# Altium PCB USBtoCAN.PcbDoc (continued)
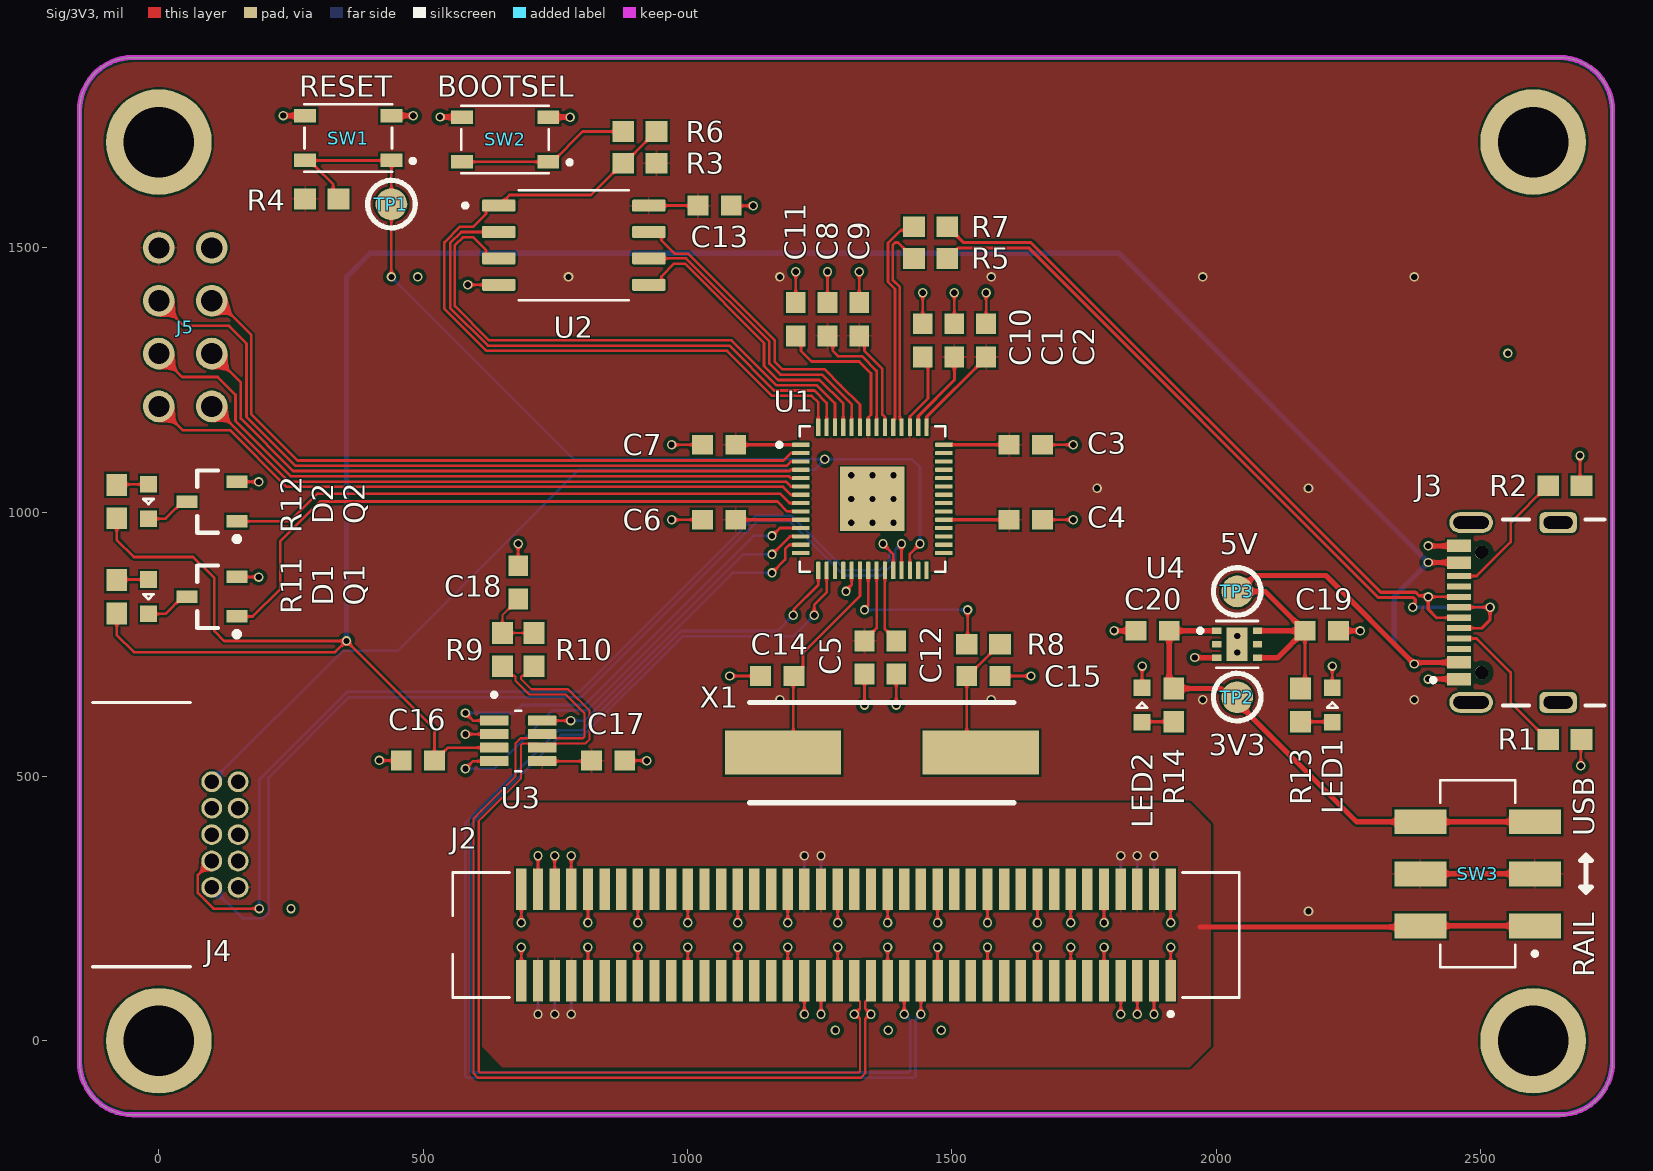
[diagram p0: Sig/3V3 view]
## Footprints (in the part's own frame and the unit in brackets; to place one, negate y for a bottom-side part, rotate by r counter-clockwise, add the part's x,y. Pads: shape width x height; smd on the part's side, far side on the other; paste and mask are expansions set on the pad) (continued)
  rrect25% 0.2x0.84 smd mask+0.05: 15(-2.6,-3.435) 16(-2.2,-3.435) 17(-1.8,-3.435) 18(-1.4,-3.435) 19(-1,-3.435) 20(-0.6,-3.435) 21(-0.2,-3.435) 22(0.2,-3.435) 23(0.6,-3.435) 24(1,-3.435) 25(1.4,-3.435) 26(1.8,-3.435) 27(2.2,-3.435) 28(2.6,-3.435) 43(2.6,3.435) 44(2.2,3.435) 45(1.8,3.435) 46(1.4,3.435) 47(1,3.435) 48(0.6,3.435) 49(0.2,3.435) 50(-0.2,3.435) 51(-0.6,3.435) 52(-1,3.435) 53(-1.4,3.435) 54(-1.8,3.435) 55(-2.2,3.435) 56(-2.6,3.435)
  rect 3.1x3.1 smd paste-0.57 mask+0.05: 57(0,0)
  silkscreen extent -4.57,-3.5 3.5,3.5, body extent -3.5,-3.5 3.5,3.5
RES0603 [mm] "Chip Resistor, 2-Leads, Body 1.60x0.80mm, IPC Medium Density"
  rect 1.05x1 smd: 1(-0.8,0) 2(0.8,0)
  body extent -0.88,-0.48 0.87,0.48, height 0.8
SOIC127P790X216-8N [mm]
  rrect25% 1.61x0.58 smd: 1(-3.605,1.905) 2(-3.605,0.635) 3(-3.605,-0.635) 4(-3.605,-1.905) 5(3.605,-1.905) 6(3.605,-0.635) 7(3.605,0.635) 8(3.605,1.905)
  silkscreen extent -5.31,-2.64 2.64,2.64, body extent -3.95,-2.64 3.95,2.64, height 2.11
SOT65P280X110-8N [mm]
  rrect10% 1.37x0.48 smd: 1(-1.15,0.975) 2(-1.15,0.325) 3(-1.15,-0.325) 4(-1.15,-0.975) 5(1.15,-0.975) 6(1.15,-0.325) 7(1.15,0.325) 8(1.15,0.975)
  silkscreen extent -1.25,-1.45 0.15,2.31, body extent -1.4,-1.45 1.4,1.45, height 1.1
SOT-23-3 [mm] "SOT23, 3-Leads, Body 2.92x2.37mm, Pitch 0.95mm, IPC Medium Density"
  rect 1x0.6 smd: 1(-1.2,0.95) 2(-1.2,-0.95) 3(1.2,0)
  silkscreen extent -1.33,-1.5 0.7,1.92, body extent -1.32,-1.52 1.32,1.52, height 1.11
SW_JS202011SCQN [mm]
  rect 1.2x2.5 smd: 1(-2.5,-2.75) 2(0,-2.75) 3(2.5,-2.75) 4(-2.5,2.75) 5(0,2.75) 6(2.5,2.75)
  silkscreen extent -4.5,-2.85 4.5,1.8, body extent -4.5,-3.75 4.5,3.75, height 5.52
SW_PTS810_SJM_250_SMTR_LFS [mm]
  rect 1.05x0.65 smd: 1(-2.075,1.075) 2(2.075,1.075) 3(-2.075,-1.075) 4(2.075,-1.075)
  silkscreen extent -3.2,-1.62 2.1,1.62, body extent -2.3,-1.6 2.3,1.6, height 2.71
TPAD-60MIL [mil]
  round 60 smd: 1(0,0)
  silkscreen extent -45,-45 45,45
VREG_TLV75733PDRVR [mm]
  rrect5% 0.45x0.3 smd: 1(-0.975,0.65) 2(-0.975,0) 3(-0.975,-0.65) 4(0.975,-0.65) 5(0.975,0) 6(0.975,0.65)
  rect 1x1.6 smd paste-2: 7(0,0)
  round 0.452 hole 0.3 mask+0: 8(0,0.4) 9(0,-0.4)
  silkscreen extent -1.87,-1.12 1,1.12, body extent -1,-1 1,1, height 0.8

## Part data
C1 C10 C19 C20: library part CC0603KRX7R7BB105, "Ceramic Capacitor, Multilayer, Cera", Capacitor Type=Ceramic, Case/Package=0603, Manufacturer=Yageo, Max Operating Temperature=125°C, Min Operating Temperature=-55°C, Package Shape=Rectangular, Package Style=SMTMeter, Rated DC Voltage (URdc)=16V, Supplier Part Number 1=311-1446-1-ND, Temperature Characteristics Code=X7R, Tolerance  (fill in as +-)=10%, Category="Ceramic Capacitors", ComponentLink1Description=https://datasheet.ciiva.com:443/pdf, ComponentLink1URL=https://datasheet.ciiva.com:443/pdf, ComponentLink2Description=https://datasheet.ciiva.com/8033/17, ComponentLink2URL=https://datasheet.ciiva.com/8033/17, ComponentLink3Description=https://datasheet.ciiva.com/8033/17, ComponentLink3URL=https://datasheet.ciiva.com/8033/17, ComponentLink4Description=https://datasheet.ciiva.com/7978/14, ComponentLink4URL=https://datasheet.ciiva.com/7978/14, ComponentLink5Description=https://datasheet.ciiva.com/28450/1, ComponentLink5URL=https://datasheet.ciiva.com/28450/1, ComponentLink6Description=https://datasheet.ciiva.com/176/mlc, ComponentLink6URL=https://datasheet.ciiva.com/176/mlc, ComponentLink7Description=https://datasheet.ciiva.com/176/mlc, ComponentLink7URL=https://datasheet.ciiva.com/176/mlc, ComponentLink8Description=https://datasheet.ciiva.com/176/mlc, ComponentLink8URL=https://datasheet.ciiva.com/176/mlc, ComponentLink9Description=https://datasheet.ciiva.com/5425/up, ComponentLink9URL=https://datasheet.ciiva.com/5425/up, Dielectric Material=Ceramic, Height=0.8mm, JESD-609 Code=e3, Length=1.6mm, Manufacturer Part Number=CC0603KRX7R7BB105, Mounting Technology="Surface Mount", Multilayer=Yes, Packaging="Tape and Reel", Part Number=CC0603KRX7R7BB105, Pins=2, Pricing 1="1=0.1, 10=0.066, 50=0.0392, 100=0.0", Reach SVHC Compliant=Yes, RoHS=Yes, RoHS Compliant=Yes, Stock 1=9695416, Supplier 1=Digikey, Terminal Finish=Nickel, Termination=Wraparound, Tolerance (fill in as +-)=10%, Width=0.8mm
C2 C3 C4 C5 C6 C7 C8 C9 C11 C12 C13 C16 C17: library part CC0603KRX7R7BB104, "Ceramic Capacitor, Multilayer, Cera", Capacitor Type=Ceramic, Case/Package=0603, Manufacturer=Yageo, Max Operating Temperature=125°C, Min Operating Temperature=-55°C, Package Shape=Rectangular, Package Style=SMTMeter, Rated DC Voltage (URdc)=16V, Supplier Part Number 1=311-1088-1-ND, Temperature Characteristics Code=X7R, Tolerance  (fill in as +-)=10%, Category="Ceramic Capacitors", ComponentLink1Description=https://datasheet.ciiva.com:443/pdf, ComponentLink1URL=https://datasheet.ciiva.com:443/pdf, ComponentLink2Description=https://datasheet.ciiva.com/11786/0, ComponentLink2URL=https://datasheet.ciiva.com/11786/0, ComponentLink3Description=https://datasheet.ciiva.com/8033/70, ComponentLink3URL=https://datasheet.ciiva.com/8033/70, ComponentLink4Description=https://datasheet.ciiva.com/7978/14, ComponentLink4URL=https://datasheet.ciiva.com/7978/14, ComponentLink5Description=https://datasheet.ciiva.com/28450/1, ComponentLink5URL=https://datasheet.ciiva.com/28450/1, ComponentLink6Description=https://datasheet.ciiva.com/46430/1, ComponentLink6URL=https://datasheet.ciiva.com/46430/1, ComponentLink7Description=https://datasheet.ciiva.com/144/mlc, ComponentLink7URL=https://datasheet.ciiva.com/144/mlc, ComponentLink8Description=https://datasheet.ciiva.com/144/mlc, ComponentLink8URL=https://datasheet.ciiva.com/144/mlc, ComponentLink9Description=https://datasheet.ciiva.com/144/mlc, ComponentLink9URL=https://datasheet.ciiva.com/144/mlc, ComponentLink10Description=https://datasheet.ciiva.com/8033/17, ComponentLink10URL=https://datasheet.ciiva.com/8033/17, ComponentLink11Description=https://datasheet.ciiva.com/13395/u, ComponentLink11URL=https://datasheet.ciiva.com/13395/u, ComponentLink12Description=https://datasheet.ciiva.com/11464/u, ComponentLink12URL=https://datasheet.ciiva.com/11464/u, ComponentLink13Description=https://datasheet.ciiva.com/15165/g, ComponentLink13URL=https://datasheet.ciiva.com/15165/g, ComponentLink14Description=https://datasheet.ciiva.com:443/pdfs/VipMasterIC/IC/YAGO/YAGO-S-A0003557223, ComponentLink14URL=https://datasheet.ciiva.com:443/pdfs/VipMasterIC/IC/YAGO/YAGO-S-A0003557223, ComponentLink15Description=https://datasheet.ciiva.com/11786/0900766b80d84f1d-11786077.pdf?src-supplie, ComponentLink15URL=https://datasheet.ciiva.com/11786/0900766b80d84f1d-11786077.pdf?src-supplie, ComponentLink16Description=https://datasheet.ciiva.com/8033/70765-8033799.pdf?src-supplier=Element14, ComponentLink16URL=https://datasheet.ciiva.com/8033/70765-8033799.pdf?src-supplier=Element14, ComponentLink17Description=https://datasheet.ciiva.com/7978/1489800-7978141.pdf?src-supplier=Element14, ComponentLink17URL=https://datasheet.ciiva.com/7978/1489800-7978141.pdf?src-supplier=Element14, ComponentLink18URL=https://datasheet.ciiva.com/28450/1489800-28450552.pdf?src-supplier=Element, Dielectric Material=Ceramic, Height=0.8mm, JESD-609 Code=e3, Length=1.6mm, Manufacturer Part Number=CC0603KRX7R7BB104, Mounting Technology="Surface Mount", Multilayer=Yes, Packaging="Tape and Reel", Part Number=CC0603KRX7R7BB104, Pins=2, Pricing 1="1=0.1, 10=0.042, 50=0.0238, 100=0.0", Reach SVHC Compliant=Yes, RoHS=Yes, RoHS Compliant=Yes, Stock 1=11347706, Supplier 1=Digikey, Terminal Finish=Nickel, Termination=Wraparound, Tolerance (fill in as +-)=10%, Width=0.8mm
C14 C15: library part CC0603JRNPO9BN270, "Ceramic Capacitor, Multilayer, Cera", Capacitor Type=Ceramic, Case/Package=0603, Manufacturer=Yageo, Max Operating Temperature=125°C, Min Operating Temperature=-55°C, Package Shape=Rectangular, Package Style=SMTMeter, Rated DC Voltage (URdc)=50V, Supplier Part Number 1=311-1063-1-ND, Temperature Characteristics Code=C0G, Tolerance  (fill in as +-)=5%, Category="Ceramic Capacitors", ComponentLink1Description=https://datasheet.ciiva.com:443/pdf, ComponentLink1URL=https://datasheet.ciiva.com:443/pdf, ComponentLink2Description=https://datasheet.ciiva.com/26862/g, ComponentLink2URL=https://datasheet.ciiva.com/26862/g, ComponentLink3Description=https://datasheet.ciiva.com/8033/14, ComponentLink3URL=https://datasheet.ciiva.com/8033/14, ComponentLink4Description=https://datasheet.ciiva.com/46430/1, ComponentLink4URL=https://datasheet.ciiva.com/46430/1, ComponentLink5Description=https://datasheet.ciiva.com/144/mlc, ComponentLink5URL=https://datasheet.ciiva.com/144/mlc, ComponentLink6Description=https://datasheet.ciiva.com/144/mlc, ComponentLink6URL=https://datasheet.ciiva.com/144/mlc, ComponentLink7Description=https://datasheet.ciiva.com/144/mlc, ComponentLink7URL=https://datasheet.ciiva.com/144/mlc, ComponentLink8Description=https://datasheet.ciiva.com/8033/17, ComponentLink8URL=https://datasheet.ciiva.com/8033/17, ComponentLink9Description=https://datasheet.ciiva.com/8033/17, ComponentLink9URL=https://datasheet.ciiva.com/8033/17, ComponentLink10Description=https://datasheet.ciiva.com/11464/u, ComponentLink10URL=https://datasheet.ciiva.com/11464/u, Dielectric Material=Ceramic, Height=0.8mm, JESD-609 Code=e3, Length=1.6mm, Manufacturer Part Number=CC0603JRNPO9BN270, Mounting Technology="Surface Mount", Multilayer=Yes, Packaging="Tape and Reel", Part Number=CC0603JRNPO9BN270, Pins=2, Pricing 1="1=0.1, 10=0.033, 50=0.0188, 100=0.0", Reach SVHC Compliant=Yes, RoHS=Yes, RoHS Compliant=Yes, Stock 1=110865, Supplier 1=Digikey, Terminal Finish=Nickel, Termination=Wraparound, Tolerance (fill in as +-)=5%, Width=0.8mm
C18: Supplier Part Number 1=1276-1000-1-ND, Supplier 1=Digi-Key
D1: library part 150060VS75000, "Single Color LED, Bright Green, Wat", Color=Green, Forward Current=30mA, Manufacturer="Wurth Electronics", Max Operating Temperature=85°C, Min Operating Temperature=-40°C, Supplier Part Number 1=732-4980-1-ND, Category=LEDs, Channels=1, ComponentLink1Description=https://datasheet.ciiva.com:443/pdf, ComponentLink1URL=https://datasheet.ciiva.com:443/pdf, ComponentLink2Description=https://datasheet.ciiva.com/29562/1, ComponentLink2URL=https://datasheet.ciiva.com/29562/1, Lens Style="WATER CLEAR", Luminous Intensity-Nom=40mcd, Manufacturer Part Number=150060VS75000, Mounting Technology="Surface Mount", Optoelectronic Device Type="SINGLE COLOR LED", Overall Height=0.7mm, Packaging="Tape and Reel", Part Number=150060VS75000, Pins=2, Pricing 1="1=0.15, 50=0.142, 100=0.122, 500=0.", Reach SVHC Compliant=Yes, RoHS=Yes, RoHS Compliant=Yes, Shape=Rectangular, Size=1.1mm, Stock 1=38675, Supplier 1=Digikey, Terminal Pitch=1.6mm, Viewing Angle=140°
D2 LED2: library part 150060YS75000, "Single Color LED, Yellow, Water Cle", Color=Yellow, Forward Current=30mA, Manufacturer="Wurth Electronics", Max Operating Temperature=85°C, Min Operating Temperature=-40°C, Supplier Part Number 1=732-4981-1-ND, Category=LEDs, Channels=1, ComponentLink1Description=https://datasheet.ciiva.com:443/pdf, ComponentLink1URL=https://datasheet.ciiva.com:443/pdf, ComponentLink2Description=https://datasheet.ciiva.com/23843/1, ComponentLink2URL=https://datasheet.ciiva.com/23843/1, ComponentLink3Description=https://datasheet.ciiva.com/29279/7, ComponentLink3URL=https://datasheet.ciiva.com/29279/7, ComponentLink4Description=https://datasheet.ciiva.com/22656/1, ComponentLink4URL=https://datasheet.ciiva.com/22656/1, ComponentLink5Description=https://datasheet.ciiva.com/29563/1, ComponentLink5URL=https://datasheet.ciiva.com/29563/1, ComponentLink6Description=https://datasheet.ciiva.com/29563/1, ComponentLink6URL=https://datasheet.ciiva.com/29563/1, ComponentLink7Description=https://datasheet.ciiva.com/48430/1, ComponentLink7URL=https://datasheet.ciiva.com/48430/1, Lens Style="WATER CLEAR", Luminous Intensity-Nom=120mcd, Manufacturer Part Number=150060YS75000, Mounting Technology="Surface Mount", Optoelectronic Device Type="SINGLE COLOR LED", Overall Height=0.7mm, Packaging="Tape and Reel", Part Number=150060YS75000, Pins=2, Pricing 1="1=0.15, 50=0.142, 100=0.122, 500=0.", Reach SVHC Compliant=Yes, RoHS=Yes, RoHS Compliant=Yes, Shape=Rectangular, Size=1.1mm, Stock 1=50357, Supplier 1=Digikey, Terminal Pitch=1.6mm, Viewing Angle=140°
J1: "CONN RCPT 1 80POS SMD GOLD", Supplier Part Number 1=609-5437-1-ND, Supplier 1=Digikey, System=Connector
J2: "CONN PLUG 3 80POS SMD GOLD", Supplier Part Number 1=609-5455-1-ND, Supplier 1=Digikey, System=Connector
J3: "USB-C (USB TYPE-C) USB 2.0 Receptacle Connector 24 (16+8 Dummy) Position Surface Mount, Right Angle; Through Hole", Package=None, Supplier Part Number 1=71AJ9393, Availability=Unavailable, MP=USB4120-03-C_REVA, Price=None, Supplier 1=Newark
J4: library part 3221-10-0300-00, "Connector Header Surface Mount 10 position 0.050\" (1.27mm)", Supplier Part Number 1=1175-1735-ND, Supplier 1=Digikey
J5: "Connector Header Through Hole, Right Angle 8 position 0.100\" (2.54mm)", Supplier Part Number 1=2057-PH2RA-08-UA-ND, Supplier 1=Digikey
LED1: library part 150060RS75000, "Single Color LED, Red, Water Clear,", Color=Red, Forward Current=30mA, Manufacturer="Wurth Electronics", Max Operating Temperature=85°C, Min Operating Temperature=-40°C, Supplier Part Number 1=732-4978-1-ND, Category=LEDs, Channels=1, ComponentLink1Description=https://datasheet.ciiva.com:443/pdf, ComponentLink1URL=https://datasheet.ciiva.com:443/pdf, ComponentLink2Description=https://datasheet.ciiva.com/29563/1, ComponentLink2URL=https://datasheet.ciiva.com/29563/1, ComponentLink3Description=https://datasheet.ciiva.com/29279/7, ComponentLink3URL=https://datasheet.ciiva.com/29279/7, Lens Style="WATER CLEAR", Luminous Intensity-Nom=250mcd, Manufacturer Part Number=150060RS75000, Mounting Technology="Surface Mount", Optoelectronic Device Type="SINGLE COLOR LED", Overall Height=0.7mm, Packaging="Tape and Reel", Part Number=150060RS75000, Pins=2, Pricing 1="1=0.15, 50=0.142, 100=0.122, 500=0.", Reach SVHC Compliant=Yes, RoHS=Yes, RoHS Compliant=Yes, Shape=Rectangular, Size=1.1mm, Stock 1=139850, Supplier 1=Digikey, Terminal Pitch=1.6mm, Viewing Angle=140°
Q1 Q2: "Small Signal Bipolar Transistor, 0.", Collector-emitter Voltage-Max=50V, DC Current Gain-Min (hFE)=80, Manufacturer="ON Semiconductor", Max Collector Current=100mA, Package Body Material=Plastic, Package Shape=Rectangular, Package Style="SMALL OUTLINEMeter", Power Dissipation-Max (Abs)=400mW, Category=BJTs, ComponentLink1Description=https://datasheet.ciiva.com:443/pdf, ComponentLink1URL=https://datasheet.ciiva.com:443/pdf, ComponentLink2Description=http://www.mouser.com/ds/2/308/DTC1, ComponentLink2URL=http://www.mouser.com/ds/2/308/DTC1, ComponentLink3Description=http://www.onsemi.com/pub/Collatera, ComponentLink3URL=http://www.onsemi.com/pub/Collatera, ComponentLink4Description=http://www.onsemi.com/pub/Collatera, ComponentLink4URL=http://www.onsemi.com/pub/Collatera, JEDEC-95 Code=TO-236AB, JESD-30 Code=R-PDSO-G3, JESD-609 Code=e3, Manufacturer Part Number=MMUN2235LT1G, Moisture Sensitivity Level=1, Number of Elements=1, Part Number=MMUN2235LT1G, Pins=3, Polarity/Channel Type=NPN, Pricing 1="1=0.1198, 10=0.0829, 100=0.035, 100", Reach SVHC Compliant=Yes, RoHS=Yes, RoHS Compliant=Yes, Stock 1=373000, Supplier 1="Arrow Electronics", Supplier Part Number 1=MMUN2235LT1G, Surface Mount=Yes, Terminal Finish=Tin, Terminal Form="Gull Wing", Terminal Position=DUAL, Transistor Application=SWITCHING, Transistor Element Material=SILICON
R1 R2: library part RC0603FR-075K1L, "Fixed Resistor, Metal Glaze/thick F", Case/Package=0603, Manufacturer=Yageo, Max Operating Temperature=155°C, Min Operating Temperature=-55°C, Package Height=0.45mm, Package Length=1.6mm, Package Shape=Rectangular, Package Style=SMTMeter, Package Width=0.8mm, Power=100mW, Rated Temperature=70°C, Resistor Type="FIXED RESISTOR", Supplier Part Number 1=311-5.10KHRCT-ND, Temperature Coefficient=100ppm/°C, Tolerance=1%, Working Voltage=75V, Additional Feature="LASER TRIMMABLE", Category="Chip SMD Resistors", ComponentLink1Description=https://datasheet.ciiva.com:443/pdf, ComponentLink1URL=https://datasheet.ciiva.com:443/pdf, ComponentLink2Description=https://datasheet.ciiva.com/46395/4, ComponentLink2URL=https://datasheet.ciiva.com/46395/4, ComponentLink3Description=https://datasheet.ciiva.com/2454/py, ComponentLink3URL=https://datasheet.ciiva.com/2454/py, ComponentLink4Description=https://datasheet.ciiva.com/2454/py, ComponentLink4URL=https://datasheet.ciiva.com/2454/py, ComponentLink5Description=https://datasheet.ciiva.com/2454/py, ComponentLink5URL=https://datasheet.ciiva.com/2454/py, ComponentLink6Description=https://datasheet.ciiva.com/15189/g, ComponentLink6URL=https://datasheet.ciiva.com/15189/g, Construction=Chip, JESD-609 Code=e3, Manufacturer Part Number=RC0603FR-075K1L, Mounting Technology="Surface Mount", Packaging="Tape and Reel", Part Number=RC0603FR-075K1L, Pins=2, Pricing 1="1=0.1, 10=0.019, 50=0.0112, 100=0.0", Reach SVHC Compliant=Yes, RoHS=Yes, RoHS Compliant=Yes, Stock 1=2654160, Supplier 1=Digikey, Technology="METAL GLAZE/THICK FILM", Terminal Finish=Nickel, Termination=Wraparound
R3 R9 R10: Supplier Part Number 1=RMCF0603JT10K0CT-ND, Supplier 1=Digi-Key
R4 R6 R8 R13 R14: library part RC0603FR-071KL, "Fixed Resistor, Metal Glaze/thick F", Case/Package=0603, Manufacturer=Yageo, Max Operating Temperature=155°C, Min Operating Temperature=-55°C, Package Height=0.45mm, Package Length=1.6mm, Package Shape=Rectangular, Package Style=SMTMeter, Package Width=0.8mm, Power=100mW, Rated Temperature=70°C, Resistor Type="FIXED RESISTOR", Supplier Part Number 1=4016291, Temperature Coefficient=100ppm/°C, Tolerance=1%, Working Voltage=75V, Additional Feature="LASER TRIMMABLE", Category="Chip SMD Resistors", ComponentLink1Description=https://datasheet.ciiva.com:443/pdf, ComponentLink1URL=https://datasheet.ciiva.com:443/pdf, ComponentLink2Description=https://datasheet.ciiva.com/11808/0, ComponentLink2URL=https://datasheet.ciiva.com/11808/0, ComponentLink3Description=https://datasheet.ciiva.com/7746/16, ComponentLink3URL=https://datasheet.ciiva.com/7746/16, ComponentLink4Description=https://datasheet.ciiva.com/7660/18, ComponentLink4URL=https://datasheet.ciiva.com/7660/18, ComponentLink5Description=https://datasheet.ciiva.com/7983/44, ComponentLink5URL=https://datasheet.ciiva.com/7983/44, ComponentLink6Description=https://datasheet.ciiva.com/7746/17, ComponentLink6URL=https://datasheet.ciiva.com/7746/17, ComponentLink7Description=https://datasheet.ciiva.com/7746/17, ComponentLink7URL=https://datasheet.ciiva.com/7746/17, ComponentLink8Description=https://datasheet.ciiva.com/8896/py, ComponentLink8URL=https://datasheet.ciiva.com/8896/py, ComponentLink9Description=https://datasheet.ciiva.com/15189/g, ComponentLink9URL=https://datasheet.ciiva.com/15189/g, Construction=Chip, JESD-609 Code=e3, Manufacturer Part Number=RC0603FR-071KL, Mounting Technology="Surface Mount", Packaging="Tape and Reel", Part Number=RC0603FR-071KL, Pins=2, Pricing 1="5000=0.0015, 50000=0.0014, 150000=0", Reach SVHC Compliant=Yes, RoHS=Yes, RoHS Compliant=Yes, Stock 1=11540000, Technology="METAL GLAZE/THICK FILM", Terminal Finish=Nickel, Termination=Wraparound
R5 R7: library part RC0603FR-0727R4L, "Fixed Resistor, Metal Glaze/thick F", Case/Package=0603, Manufacturer=Yageo, Max Operating Temperature=155°C, Min Operating Temperature=-55°C, Package Height=0.45mm, Package Length=1.6mm, Package Shape=Rectangular, Package Style=SMTMeter, Package Width=0.8mm, Power=100mW, Rated Temperature=70°C, Resistor Type="FIXED RESISTOR", Supplier Part Number 1=311-27.4HRCT-ND, Temperature Coefficient=100ppm/°C, Tolerance=1%, Working Voltage=75V, Additional Feature="LASER TRIMMABLE", Category="Chip SMD Resistors", ComponentLink1Description=https://datasheet.ciiva.com:443/pdf, ComponentLink1URL=https://datasheet.ciiva.com:443/pdf, ComponentLink2Description=https://datasheet.ciiva.com/2454/py, ComponentLink2URL=https://datasheet.ciiva.com/2454/py, ComponentLink3Description=https://datasheet.ciiva.com/2454/py, ComponentLink3URL=https://datasheet.ciiva.com/2454/py, ComponentLink4Description=https://datasheet.ciiva.com/2454/py, ComponentLink4URL=https://datasheet.ciiva.com/2454/py, ComponentLink5Description=https://datasheet.ciiva.com/8889/py, ComponentLink5URL=https://datasheet.ciiva.com/8889/py, ComponentLink6Description=https://datasheet.ciiva.com/15160/g, ComponentLink6URL=https://datasheet.ciiva.com/15160/g, Construction=Chip, JESD-609 Code=e3, Manufacturer Part Number=RC0603FR-0727R4L, Mounting Technology="Surface Mount", Packaging="Tape and Reel", Part Number=RC0603FR-0727R4L, Pins=2, Pricing 1="1=0.1, 10=0.02, 50=0.0124, 100=0.01", Reach SVHC Compliant=Yes, RoHS=Yes, RoHS Compliant=Yes, Stock 1=178500, Supplier 1=Digikey, Technology="METAL GLAZE/THICK FILM", Terminal Finish=Nickel, Termination=Wraparound
R11 R12: library part RC0603FR-07270RL, "Fixed Resistor, Metal Glaze/thick F", Case/Package=0603, Manufacturer=Yageo, Max Operating Temperature=155°C, Min Operating Temperature=-55°C, Package Height=0.45mm, Package Length=1.6mm, Package Shape=Rectangular, Package Style=SMTMeter, Package Width=0.8mm, Power=100mW, Rated Temperature=70°C, Resistor Type="FIXED RESISTOR", Supplier Part Number 1=7559610, Temperature Coefficient=100ppm/°C, Tolerance=1%, Working Voltage=75V, Additional Feature="LASER TRIMMABLE", Category="Chip SMD Resistors", ComponentLink1Description=https://datasheet.ciiva.com:443/pdf, ComponentLink1URL=https://datasheet.ciiva.com:443/pdf, ComponentLink2Description=https://datasheet.ciiva.com/11808/0, ComponentLink2URL=https://datasheet.ciiva.com/11808/0, ComponentLink3Description=https://datasheet.ciiva.com/2455/py, ComponentLink3URL=https://datasheet.ciiva.com/2455/py, ComponentLink4Description=https://datasheet.ciiva.com/2455/py, ComponentLink4URL=https://datasheet.ciiva.com/2455/py, ComponentLink5Description=https://datasheet.ciiva.com/2455/py, ComponentLink5URL=https://datasheet.ciiva.com/2455/py, ComponentLink6Description=https://datasheet.ciiva.com/15189/g, ComponentLink6URL=https://datasheet.ciiva.com/15189/g, ComponentLink7Description=https://datasheet.ciiva.com/7746/44, ComponentLink7URL=https://datasheet.ciiva.com/7746/44, ComponentLink8Description=https://datasheet.ciiva.com/7746/44, ComponentLink8URL=https://datasheet.ciiva.com/7746/44, Construction=Chip, JESD-609 Code=e3, Manufacturer Part Number=RC0603FR-07270RL, Mounting Technology="Surface Mount", Packaging="Tape and Reel", Part Number=RC0603FR-07270RL, Pins=2, Pricing 1="5000=0.0015, 50000=0.0014, 150000=0", Reach SVHC Compliant=Yes, RoHS=Yes, RoHS Compliant=Yes, Stock 1=855000, Supplier 1="Future Electronics", Technology="METAL GLAZE/THICK FILM", Terminal Finish=Nickel, Termination=Wraparound
SW1 SW2: library part "PTS810 SJK 250 SMTR LFS", "Tactile Switch SPST-NO Top Actuated Surface Mount", Supplier Part Number 1=CKN10503CT-ND, Supplier 1=Digikey
SW3: "Slide Switch DPDT Surface Mount", Supplier Part Number 1=401-2002-1-ND, Supplier 1=Digikey
U1: library part SC0914(13), "ARM® Cortex®-M0+ - Microcontroller IC 32-Bit Dual-Core 133MHz External Program Memory 56-QFN (7x7)", Package="VFQFN-56 Raspberry Pi", Supplier Part Number 1=2648-SC0914(13)CT-ND, Check_prices=https://www.snapeda.com/parts/SC0914(13)/Raspberry+Pi/view-part/?ref=eda, MF="Raspberry Pi", MP=SC0914(13), SnapEDA_Link=https://www.snapeda.com/parts/SC0914(13)/Raspberry+Pi/view-part/?ref=snap, Supplier 1=Digikey
U2: "FLASH - NOR Memory IC 128Mbit SPI - Quad I/O, QPI, DTR 133 MHz 8-SOIC", Supplier Part Number 1=W25Q128JVSIQCT-ND, Supplier 1=Digikey
U3: library part TCAN1044AVDDFRQ1, "1/1 Transceiver Half CANbus TSOT-23-8", Supplier Part Number 1=296-TCAN1057ADDFRQ1CT-ND, Supplier 1=Digikey
U4: library part TLV75733PDRVR, "Linear Voltage Regulator IC Positive Fixed 1 Output 1A 6-WSON (2x2)", Supplier Part Number 1=296-49281-1-ND, Supplier 1=Digikey
X1: library part ABLS-12.000MHZ, "12 MHz ±20ppm Crystal 18pF 50 Ohms HC-49/US", Supplier Part Number 1=535-9067-1-ND, Supplier 1=Digikey

## Free pads (board coordinates)
  round 200 hole 133.86 unplated: M3(0,0) M3(0,1700) M3(2600,0) M3(2600,1700)

## Via types
v1: diameter 17.81, hole 11.81, Sig/3V3 to Sig/5V, tented top, 121 vias
v2: diameter 18, hole 12, Sig/3V3 to Sig/5V, 12 vias

## Nets (pads, with @x,y where several pads share a name; then routed paths per layer and width w, separated by ;. In a path a pad name is that pad's centre, name@x,y a point inside that pad or via, vN(x,y) a via of type N, cw(c..) or ccw(c..) an arc to the next point about the centre after c; other vN are vias at no path point)
+1V1_RP: C10.2 C11.2 C12.2 U1.23 U1.45 U1.50 | length 580.8
  Sig/3V3 w5: C11.2 1215,1323.5 1215,1305 1235,1285 1325,1285 1347.37,1262.63 1347.37,1184.52 1342.13,1179.27 U1.50 ; U1.23 1373.62,778.86 1395,757.48 C12.2 ; U1.45 1420.87,1180.87 1455,1215 1455,1283.5 C10.2
+3V3: J1.4 J1.6 J1.8 J1.44 J1.46 J1.73 J1.75 J1.77 J2.4 J2.6 J2.8 J2.44 J2.46 J2.73 J2.75 J2.77 SW3.1 SW3.4 | length 1138
  Sig/3V3 w10: 1970,215 SW3.4@2384.33,215 ; SW3.4 SW3.1
  Sig/5V w5: v1(717.32,50) J1.77 ; v1(748.82,50) J1.75 ; v1(780.32,50) J1.73 ; J1.46 v1(1221.26,350) ; J1.44 v1(1252.76,350) ; J1.8 v1(1819.68,350) ; J1.6 v1(1851.18,350) ; J1.4 v1(1882.68,350)
+3V3_RP: C1.2 C2.2 C3.2 C4.2 C5.2 C6.2 C7.2 C8.2 C9.2 C13.2 C17.2 J4.1 J5.1 R3.2 R4.2 SW3.2 SW3.5 U1.1 U1.10 U1.22 U1.33 U1.42 U1.43 U1.44 U1.48 U1.49 U2.8 U3.5 | length 1820.4
  Sig/3V3 w5: U3.5 817.32,528.82 C17.2 ; U2.8 C13.2 ; C8.2 1275,1323.5 1275,1305 1285,1295 1330,1295 1357.87,1267.13 U1.49 ; C9.2 1335,1323.5 1335,1305 1368.87,1271.13 1368.87,1184.52 1373.62,1179.77 U1.48 ; C5.2 1335,757.48 1357.87,780.35 U1.22
  Sig/3V3 w6: C6.2 U1.10 ; C7.2 U1.1 ; U1.44 1436.61,1181.61 1505,1250 C1.2 ; U1.43 1452.85,1160.73 1452.85,1180.37 1565,1292.52 C2.2 ; U1.33 C4.2 C4.2@1614.13,980 ; U1.42 C3.2
  Sig/3V3 w10: SW3.5 SW3.2
  other v2: 2175,245 1175,645 1575,645 1975,645 2375,645 1775,1045 2175,1045 775,1445 1175,1445 1575,1445 1975,1445 2375,1445
+3V3_USB0: C20.2 R14.2 SW3.3 SW3.6 TP2.1 U4.1 | length 996.3
  Sig/3V3 w6: R14.2@1911.5,675 R14.2 ; TP2.1@2025.98,650 TP2.1
  Sig/3V3 w10: R14.2@1911.5,675 C20.2 U4.1 ; R14.2 2009.49,666.5 TP2.1@2025.98,650 ; TP2.1 2040,640 2265.75,414.25 SW3.6 SW3.3
+5V: J1.3 J1.5 J1.7 J1.43 J1.45 J1.74 J1.76 J1.78 J2.3 J2.5 J2.7 J2.43 J2.45 J2.74 J2.76 J2.78 | length 1014.2
  Sig/3V3 w5: J2.78 v1(717.32,350) ; J2.76 v1(748.82,350) ; J2.74 v1(780.32,350) ; v1(1221.26,50) J2.45 ; v1(1252.76,50) J2.43 ; v1(1819.68,50) J2.7 ; v1(1851.18,50) J2.5 ; v1(1882.68,50) J2.3
  Sig/5V w5: J1.78 v1(717.32,350) ; J1.76 v1(748.82,350) ; J1.74 v1(780.32,350) ; v1(1221.26,50) J1.45 ; v1(1252.76,50) J1.43 ; v1(1819.68,50) J1.7 ; v1(1851.18,50) J1.5 ; v1(1882.68,50) J1.3
+5V_USB0: C16.2 C19.2 J3.A4_B9 J3.B4_A9 R11.2 R12.2 R13.2 TP3.1 U3.3 U4.4 U4.6 | length 5793
  Sig/3V3 w5: R11.2 -79.68,767.48 -47.2,735 333.68,735 v1(355,756.32) ; R12.2 -79.68,947.48 -47.2,915 65,915 105,875 105,775 123.68,756.32 v1(355,756.32) ; U3.3 546.89,554.41 522.48,530 C16.2 521.5,589.83 v1(355,756.32)
  Sig/3V3 w6: R13.2 2168.5,675 C19.2
  Sig/3V3 w10: TP3.1@2040,857.61 TP3.1 TP3.1@2043.64,850 ; U4.4 2116.34,724.41 C19.2@2167.52,775.59 ; U4.6 C19.2@2167.52,775.59 ; C19.2 C19.2@2167.52,775.59 ; v1(2375.13,712.74) 2207.87,880 2073.64,880 TP3.1@2043.64,850 ; v1@2378.06,715.67 J3.A4_B9 ; v1(2401.5,904.65) J3.B4_A9 ; TP3.1@2043.64,850 2093.11,850 C19.2@2167.52,775.59
  Sig/5V w10: v1(355,756.32) 355,1445 400,1490 1816.14,1490 v1(2401.5,904.65) 2337.2,840.35 2337.2,750.67 v1(2375.13,712.74)
CAN0_GRN: Q1.1 U1.9 | length 1217.7
  Sig/3V3 w5: Q1.1 177.6,802.6 230,855 230,945 305,1020 1170,1020 1188.62,1001.38 U1.9
CAN0_N: J1.39 J2.39 R10.2 U3.6 | length 2018.8
  Sig/3V3 w4: R10.2 692.31,690.82 687.34,690.82 685,688.48 685,684.66 704.66,665 774.14,665 815,624.14 815,570.41 806.8,562.2 752.31,562.2 751.97,561.86 732.45,561.86 U3.6 717.55,561.86 698.03,561.86 697.69,562.2 688.45,562.2 685,558.76 685,495.86 614.14,425 605.18,416.04 605.18,-57.66 607.53,-60 1324.15,-60 1326.5,-57.66 1326.5,34.45 1326.5,41.9 1318.4,50 v1(1315.75,50) 1326.5,60.75 1326.5,73.67 1324.15,76.02 1323.59,76.02 1315.75,83.86 J2.39
  Sig/5V w4: v1(1315.75,50) 1326.5,60.75 1326.5,73.67 1324.15,76.02 1323.59,76.02 1315.75,83.86 J1.39
CAN0_P: J1.37 J2.37 R9.1 U3.7 | length 2052
  Sig/3V3 w4: R9.1 667.68,690.82 672.66,690.82 675,688.48 675,680.52 700.52,655 770,655 805,620 805,574.55 802.66,572.2 752.31,572.2 751.97,572.55 732.45,572.55 U3.7 717.55,572.55 698.03,572.55 697.69,572.2 684.3,572.2 675,562.9 675,500 610,435 595.18,420.18 595.18,-61.8 603.38,-70 1328.3,-70 1336.5,-61.8 1336.5,38.59 1336.5,41.9 1344.59,50 v1(1347.24,50) 1336.5,60.75 1336.5,73.67 1338.84,76.02 1339.4,76.02 1347.24,83.86 J2.37
  Sig/5V w4: v1(1347.24,50) 1336.5,60.75 1336.5,73.67 1338.84,76.02 1339.4,76.02 1347.24,83.86 J1.37
CAN0_RX: U1.12 U3.4 | length 877.3
  Sig/3V3 w5: v1(580,514.41) 594.41,528.82 U3.4 ; v1(1160,920) 1194.13,954.13 U1.12
  Sig/5V w5: v1(580,514.41) 633.94,514.41 744.53,625 810,625 1105,920 v1(1160,920)
CAN0_STB: U1.13 U3.8 | length 639.3
  Sig/3V3 w5: U3.8 v1(779.45,605.59) ; v1(1160,885) 1185,910 1185,930 1193.39,938.39 U1.13
  Sig/5V w5: v1(779.45,605.59) 805.59,605.59 1085,885 v1(1160,885)
CAN0_TX: U1.11 U3.1 | length 840.1
  Sig/3V3 w5: v1(580,620) 594.41,605.59 U3.1 ; v1(1160,955) 1174.88,969.88 U1.11
  Sig/5V w5: v1(580,620) 671.73,620 686.73,635 805,635 1125,955 v1(1160,955)
CAN0_YLW: Q2.1 U1.8 | length 1096.3
  Sig/3V3 w5: Q2.1 247.6,982.6 300,1035 1175,1035 1192.87,1017.13 U1.8
GND: C1.1 C2.1 C3.1 C4.1 C5.1 C6.1 C7.1 C8.1 C9.1 C10.1 C11.1 C12.1 C13.1 C14.1 C15.1 C16.1 C17.1 C18.2 C19.1 C20.1 J1.1 J1.2 J1.9 J1.10 J1.13 J1.14 J1.17 J1.18 J1.23 J1.24 J1.29 J1.30 J1.35 J1.36 J1.41 J1.42 J1.47 J1.48 J1.53 J1.54 J1.59 J1.60 J1.65 J1.66 J1.71 J1.72 J1.79 J1.80 J2.1 J2.2 J2.9 J2.10 J2.13 J2.14 J2.17 J2.18 J2.23 J2.24 J2.29 J2.30 J2.35 J2.36 J2.41 J2.42 J2.47 J2.48 J2.53 J2.54 J2.59 J2.60 J2.65 J2.66 J2.71 J2.72 J2.79 J2.80 J3.A1_B12 J3.B1_A12 J3.S1 J3.S2 J3.S3 J3.S4 J4.3 J4.5 J4.7 J4.9 J5.5 LED1.C LED2.C Q1.2 Q2.2 R1.1 R2.1 SW1.3 SW1.4 SW2.3 SW2.4 U1.19 U1.57 U2.4 U3.2 U4.3 | length 5368.3
  Sig/3V3 w5: Q1.2 v1@188.58,877.4 ; Q2.2 v1@188.58,1057.4 ; v1@417.48,530 C16.1 ; v1(580,580) U3.2 ; v1(584.57,1430) U2.4 ; C18.2 v1@679.72,939.72 ; J2.79 v1(685.83,176.77) ; v1(685.83,223.23) J2.80 ; J2.71 v1(811.81,176.77) ; v1(811.81,223.23) J2.72 ; C17.1 v1@922.52,530 ; J2.65 v1(906.3,176.77) ; v1(906.3,223.23) J2.66 ; v1(970,985.63) C6.1 ; v1(970,1127.36) C7.1 ; J2.59 v1(1000.79,176.77) ; v1(1000.79,223.23) J2.60 ; v1(1080,690) C14.1 ; C13.1 1083.29,1579.7 v1(1124.31,1579.7) ; J2.53 v1(1095.28,176.77) ; v1(1095.28,223.23) J2.54 ; J2.47 v1(1189.76,176.77) ; v1(1189.76,223.23) J2.48 ; C11.1 v1(1205,1455) ; C8.1 v1(1265,1455) ; J2.41 v1(1284.25,176.77) ; v1(1284.25,223.23) J2.42 ; v1(1300,850) 1300,851.94 1310.63,862.57 U1.19 ; C9.1 v1(1325,1455) ; v1(1335,635) C5.1 ; J2.35 v1(1378.74,176.77) ; v1(1378.74,223.23) J2.36 ; v1(1395,635) C12.1 ; C10.1 v1(1445,1415) ; J2.29 v1(1473.23,176.77) ; v1(1473.23,223.23) J2.30 ; C1.1 v1(1505,1415) ; C2.1 v1(1565,1415) ; J2.23 v1(1567.72,176.77) ; v1(1567.72,223.23) J2.24 ; C15.1 v1(1650,690) ; J2.17 v1(1662.2,176.77) ; v1(1662.2,223.23) J2.18 ; C4.1 v1(1730,985.63) ; C3.1 v1(1730,1127.36) ; J2.13 v1(1725.2,176.77) ; v1(1725.2,223.23) J2.14 ; J2.9 v1(1788.19,176.77) ; v1(1788.19,223.23) J2.10 ; LED2.C v1@1860,708.5 ; J2.1 v1(1914.17,176.77) ; v1(1914.17,223.23) J2.2 ; v1(1960,725) v1@1960.3,724.7 ; U4.3@2001.32,724.7 U4.3 ; LED1.C v1@2220,708.5 ; v1(2688.66,1107.07) 2688.66,1052.84 R2.1 ; v1(2690,520) 2690,568.5 R1.1
  Sig/3V3 w10: v1@235.59,1750 SW1.4 ; SW1.3 v1@481.02,1750 ; v1@532.28,1747.32 SW2.4 ; SW2.3 v1@777.72,1747.32 ; v1@1807.48,775.59 C20.1 ; v1@1960.3,724.7 U4.3@2001.32,724.7 ; C19.1 v1@2272.52,775.59 ; v1(2401.5,684.17) J3.A1_B12 ; v1(2401.5,936.14) J3.B1_A12
  Sig/5V w5: J1.79 v1(685.83,176.77) ; v1(685.83,223.23) J1.80 ; J1.71 v1(811.81,176.77) ; v1(811.81,223.23) J1.72 ; J1.65 v1(906.3,176.77) ; v1(906.3,223.23) J1.66 ; J1.59 v1(1000.79,176.77) ; v1(1000.79,223.23) J1.60 ; J1.53 v1(1095.28,176.77) ; v1(1095.28,223.23) J1.54 ; J1.47 v1(1189.76,176.77) ; v1(1189.76,223.23) J1.48 ; J1.41 v1(1284.25,176.77) ; v1(1284.25,223.23) J1.42 ; J1.35 v1(1378.74,176.77) ; v1(1378.74,223.23) J1.36 ; J1.29 v1(1473.23,176.77) ; v1(1473.23,223.23) J1.30 ; J1.23 v1(1567.72,176.77) ; v1(1567.72,223.23) J1.24 ; J1.17 v1(1662.2,176.77) ; v1(1662.2,223.23) J1.18 ; J1.13 v1(1725.2,176.77) ; v1(1725.2,223.23) J1.14 ; J1.9 v1(1788.19,176.77) ; v1(1788.19,223.23) J1.10 ; J1.1 v1(1914.17,176.77) ; v1(1914.17,223.23) J1.2
  other v1: 1280,20 1380,20 1480,20 250,250 417.18,530.3 922.82,529.7 1860.3,708.8 2220.3,708.8 2272.82,775.3 1807.18,775.89 188.88,877.11 680.02,940.02 1310,980 1350,980 1390,980 1310,1025 1350,1025 1390,1025 188.88,1057.11 1310,1070 1350,1070 1390,1070 2552.2,1300.24 490,1445 778.01,1747.03 531.99,1747.62 235.3,1750.3 481.32,1749.7
GPIO0: J5.6 U1.2 | length 1333.6
  Sig/3V3 w5: J5.6 110,1400 175,1335 175,1185 262.26,1097.74 1181.86,1097.74 1195.73,1111.61 U1.2
GPIO1: J5.2 U1.3 | length 1429
  Sig/3V3 w5: J5.2 47.7,1352.3 132.7,1352.3 165.86,1319.14 165.86,1180 258.11,1087.74 1187.61,1087.74 1195.73,1095.87 U1.3
GPIO2: J5.7 U1.4 | length 1247.8
  Sig/3V3 w5: J5.7 155,1245 155,1176.72 253.97,1077.74 1193.35,1077.74 1195.73,1080.12 U1.4
GPIO3: J5.3 U1.5 | length 1341.4
  Sig/3V3 w5: J5.3 44.23,1255.77 111.3,1255.77 145,1222.07 145,1172.57 249.83,1067.74 1192.35,1067.74 1195.73,1064.37 U1.5
GPIO4: J5.8 U1.6 | length 1177.5
  Sig/3V3 w5: J5.8 103.43,1200 245.69,1057.74 1186.61,1057.74 1195.73,1048.62 U1.6
GPIO5: J5.4 U1.7 | length 1284
  Sig/3V3 w5: J5.4 45,1155 134.29,1155 241.54,1047.74 1180.86,1047.74 1195.73,1032.87 U1.7
I2C0_SCL: J1.33 J2.33 U1.16 | length 2446.3
  Sig/3V3 w5: v1(1240,805) 1240,824.85 1263.39,848.23 U1.16 ; v1(1410.24,50) J2.33
  Sig/5V w5: v1(1240,805) 1200,765 990.46,765 803.8,578.34 760.41,578.34 590,407.93 590,-57.07 592.93,-60 1418.56,-60 1421.48,-57.07 1421.48,38.75 v1(1410.24,50) J1.33
I2C0_SDA: J1.31 J2.31 U1.15 | length 2468.4
  Sig/3V3 w5: v1(1200,805) 1201.6,806.6 1201.6,816.6 1247.64,862.64 U1.15 ; v1(1441.73,50) J2.31
  Sig/5V w5: v1(1200,805) 1170,775 987.73,775 800.07,587.34 755.27,587.34 580,412.07 580,-67.07 582.93,-70 1428.56,-70 1431.48,-67.07 1431.48,39.75 v1(1441.73,50) J1.31
NetC15_2: C15.2 R8.1 X1.1 | length 243.8
  Sig/3V3 w5: X1.1 1528.5,571.5 C15.2 1544.7,706.2 1546.71,706.2 1590.51,750 R8.1
NetC18_1: C18.1 R9.2 R10.1 | length 136.5
  Sig/3V3 w4: C18.1 679.72,834.72 650,805 R9.2 R10.1
NetD1_A: D1.A R11.1 | length 60.4
  Sig/3V3 w5: R11.1 -78.7,872.48 D1.A
NetD1_C: D1.C Q1.3 | length 86.2
  Sig/3V3 w5: D1.C 12.72,807.52 45.2,840 Q1.3
NetD2_A: D2.A R12.1 | length 60.4
  Sig/3V3 w5: R12.1 -78.7,1052.48 D2.A
NetD2_C: D2.C Q2.3 | length 86.2
  Sig/3V3 w5: D2.C 12.72,987.52 45.2,1020 Q2.3
NetJ3_A5: J3.A5 R1.2 | length 280.6
  Sig/3V3 w5: J3.A5 2492.99,760.94 2557.41,696.52 2557.41,640.11 2627.52,570 R1.2
NetJ3_B5: J3.B5 R2.2 | length 260.6
  Sig/3V3 w5: J3.B5 2492.99,879.06 2557.41,943.47 2557.41,979.89 2627.52,1050 R2.2
NetLED1_A: LED1.A R13.1 | length 60.4
  Sig/3V3 w6: R13.1 2219.02,603.5 LED1.A
NetLED2_A: LED2.A R14.1 | length 60.4
  Sig/3V3 w6: LED2.A 1860.98,603.5 R14.1
QSPI_CLK: U1.52 U2.6 | length 566.5
  Sig/3V3 w5: U2.6 997.73,1480 1155,1322.73 1155,1280.86 1175.86,1260 1255,1260 1310.63,1204.37 U1.52
QSPI_SD0: U1.53 U2.5 | length 568.6
  Sig/3V3 w5: U2.5 942.1,1430 950.99,1438.89 950.99,1445.99 975,1470 995,1470 1145,1320 1145,1276.72 1171.72,1250 1250,1250 1294.88,1205.12 U1.53
QSPI_SD1: U1.55 U2.2 | length 1056.5
  Sig/3V3 w5: U2.2 572.27,1530 551,1508.73 551,1386.27 622.27,1315 1079.14,1315 1164.14,1230 1240,1230 1263.39,1206.61 U1.55
QSPI_SD2: U1.54 U2.3 | length 1066
  Sig/3V3 w5: U2.3 627.9,1480 619.01,1488.89 619.01,1495.99 595,1520 575,1520 560,1505 560,1390 625,1325 1083.28,1325 1168.28,1240 1245,1240 1279.13,1205.87 U1.54
QSPI_SD3: U1.51 U2.7 | length 605.9
  Sig/3V3 w5: U2.7 942.1,1530 950.99,1521.11 950.99,1514.01 976,1489 1001.46,1489 1165,1325.46 1165,1285 1180,1270 1260,1270 1290,1240 1326.38,1203.62 U1.51
QSPI_SS: R3.1 R6.2 U1.56 U2.1 | length 1446.5
  Sig/3V3 w5: R6.2 940.51,1720 897.7,1677.19 895.69,1677.19 R3.1 877.52,1660 817.52,1600 663.07,1600 U2.1 627.9,1580 619.01,1571.11 619.01,1564.01 595,1540 569.54,1540 540,1510.46 540,1384.54 619.54,1305 1075,1305 1160,1220 1235,1220 1247.64,1207.36 U1.56
RESET: J4.10 R4.1 SW1.1 SW1.2 TP1.1 U1.26 | length 3244.2
  Sig/3V3 w5: SW1.2 SW1.1 TP1.1 v1(440,1445) ; SW1.2@284.65,1665.35 284.65,1665.2 294.78,1655.06 294.94,1655.06 330,1620 330,1602.28 R4.1 ; U1.26 1420.87,920.87 v1(1440,940)
  Sig/5V w5: J4.10 348.07,738.07 452.27,738.07 794.19,1080 1240,1080 v1(1260,1100) ; v1(440,1445) 785,1100 v1(1260,1100) ; v1(1440,940) 1440,1085 1425,1100 v1(1260,1100)
RP_XIN: C14.2 U1.20 X1.2 | length 405.6
  Sig/3V3 w5: X1.2 1200.51,564.51 1200.51,689.02 C14.2 1202.48,690 1218.68,706.2 1218.68,733.68 1326.38,841.38 U1.20
RP_XOUT: R8.2 U1.21 | length 338.3
  Sig/3V3 w5: v1(1335,815) 1335,817.26 1342.13,824.39 U1.21 ; R8.2 1530,751.5 v1(1530,815)
  Sig/5V w5: v1(1335,815) v1(1530,815)
SWDCLK_RP: J4.4 U1.24 | length 1988.3
  Sig/3V3 w5: J4.4 73.82,313.81 73.82,279.15 102.97,250 v1(190,250) ; v1(1370,940) 1389.37,920.63 U1.24
  Sig/5V w5: v1(190,250) 190,494.14 355.86,660 795.86,660 1125.86,990 1128.79,992.93 1197.07,992.93 1200,990 1300,890 1363,890 1383,910 1383,927 v1(1370,940)
SWDIO_RP: J4.2 U1.25 | length 1920.9
  Sig/3V3 w5: v1(1405,940) 1405.06,939.94 U1.25 U1.25
  Sig/5V w5: J4.2 158.25,231.75 197.56,231.75 208.25,242.44 208.25,498.25 360,650 800,650 1132.93,982.93 1192.93,982.93 1295.86,880 1367.14,880 1393,905.86 1393,928 v1(1405,940)
USB0_D_N: J3.A7 J3.B7 R5.2 | length 1479.4
  Sig/3V3 w5: J3.B7 2502.8,780.63 ; J3.A7 v1(2518.5,820)
  Sig/3V3 w6: R5.2 1492.48,1480 1512.48,1500 1645.86,1500 2301.61,844.25 2307.47,838.39 2373.39,838.39 2376.9,834.88 2376.9,828.13 2372.2,823.43 v1(2372.2,820.24) ; 2502.8,780.63 2518.5,796.34 v1(2518.5,820)
  Sig/5V w6: v1(2372.2,820.24) 2372.32,820.12 2518.39,820.12 v1(2518.5,820)
USB0_D_P: J3.A6 J3.B6 R7.2 | length 1347.3
  Sig/3V3 w5: v1(2401.5,839.68) J3.B6 ; 2417.2,800.31 J3.A6
  Sig/3V3 w6: R7.2 1492.48,1540 1522.48,1510 1650,1510 2311.61,848.39 2377.53,848.39 2383.98,841.94 2399.24,841.94 v1(2401.5,839.68) 2401.5,816.02 2417.2,800.31
USB0_RP_N: R5.1 U1.46 | length 406.7
  Sig/3V3 w5: U1.46 1405.12,1172.83 1401.74,1176.21 1401.74,1425.98 1388.43,1439.29 1388.43,1505.71 1392.73,1510 1398.5,1510 R5.1
USB0_RP_P: R7.1 U1.47 | length 417.8
  Sig/3V3 w5: U1.47 1389.37,1172.83 1392.74,1176.21 1392.74,1422.26 1382.07,1432.93 1379.43,1435.57 1379.43,1509.43 1403.26,1533.26 1421.77,1533.26 R7.1
USB_BOOT: R6.1 SW2.1 SW2.2 | length 328.9
  Sig/3V3 w5: SW2.2 SW2.1 744.57,1662.68 801.89,1720 R6.1
pads on no net: J1.11 J1.12 J1.15 J1.16 J1.19 J1.20 J1.21 J1.22 J1.25 J1.26 J1.27 J1.28 J1.32 J1.34 J1.38 J1.40 J1.49 J1.50 J1.51 J1.52 J1.55 J1.56 J1.57 J1.58 J1.61 J1.62 J1.63 J1.64 J1.67 J1.68 J1.69 J1.70 J2.11 J2.12 J2.15 J2.16 J2.19 J2.20 J2.21 J2.22 J2.25 J2.26 J2.27 J2.28 J2.32 J2.34 J2.38 J2.40 J2.49 J2.50 J2.51 J2.52 J2.55 J2.56 J2.57 J2.58 J2.61 J2.62 J2.63 J2.64 J2.67 J2.68 J2.69 J2.70 J3. J3.A8 J3.B8 J4.6 J4.8 U1.14 U1.17 U1.18 U1.27 U1.28 U1.29 U1.30 U1.31 U1.32 U1.34 U1.35 U1.36 U1.37 U1.38 U1.39 U1.40 U1.41 U4.2 U4.5 U4.7 U4.8 U4.9

## Polygon pours and split planes (outlines as drawn)
+3V3_RP on Sig/5V "+3V3_RP_L04_P003" (solid, remove dead copper, pour order 3): -150,-40 -150,1760 cw(c-50,1760) -50,1860 2650,1860 cw(c2650,1760) 2750,1760 2750,-40 cw(c2650,-40) 2650,-140 -50,-140 cw(c-50,-40)
+5V on Sig/5V "+5V_L04_P001" (solid, remove dead copper, pour order 1): 1990,410 1950,450 650,450 610,410 610,-10 650,-50 1950,-50 1990,-10
+3V3_RP on Sig/3V3 "+3V3_RP_L01_P005" (solid, remove dead copper, pour order 5): -150,-40 -150,1760 cw(c-50,1760) -50,1860 2650,1860 cw(c2650,1760) 2750,1760 2750,-40 cw(c2650,-40) 2650,-140 -50,-140 cw(c-50,-40)
+3V3 on Sig/3V3 "+3V3_L01_P002" (solid, remove dead copper, pour order 2): 1990,410 1950,450 650,450 610,410 610,-10 650,-50 1950,-50 1990,-10
+1V1_RP on Sig/3V3 "+1V1_RP_L01_P000" (solid, remove dead copper, pour order 0): 1487.8,1162.8 1212.2,1162.8 1212.2,887.2 1487.25,887.2 1488.43,886.03
GND on GND 2 (split plane): 2657.84,1839.61 2665.61,1838.46 2673.22,1836.55 2680.61,1833.91 2687.71,1830.55 2694.44,1826.51 2700.75,1821.84 2706.57,1816.57 2711.84,1810.75 2716.51,1804.44 2720.55,1797.71 2723.91,1790.61 2726.55,1783.22 2728.46,1775.61 2729.61,1767.84 2729.97,1760.63 2729.9,1760 2729.9,-40 2729.97,-40.63 2729.61,-47.84 2728.46,-55.61 2726.55,-63.22 2723.91,-70.61 2720.55,-77.71 2716.51,-84.44 2711.84,-90.75 2706.57,-96.57 2700.75,-101.84 2694.44,-106.51 2687.71,-110.55 2680.61,-113.91 2673.22,-116.55 2665.61,-118.46 2657.84,-119.61 2650.63,-119.97 2650,-119.9 -50,-119.9 -50.63,-119.97 -57.84,-119.61 -65.61,-118.46 -73.22,-116.55 -80.61,-113.91 -87.71,-110.55 -94.44,-106.51 -100.75,-101.84 -106.57,-96.57 -111.84,-90.75 -116.51,-84.44 -120.55,-77.71 -123.91,-70.61 -126.55,-63.22 -128.46,-55.61 -129.61,-47.84 -129.97,-40.63 -129.9,-40 -129.9,1760 -129.97,1760.63 -129.61,1767.84 -128.46,1775.61 -126.55,1783.22 -123.91,1790.61 -120.55,1797.71 -116.51,1804.44 -111.84,1810.75 -106.57,1816.57 -100.75,1821.84 -94.44,1826.51 -87.71,1830.55 -80.61,1833.91 -73.22,1836.55 -65.61,1838.46 -57.84,1839.61 -50.63,1839.97 -50,1839.9 2650,1839.9 2650.63,1839.97
GND on GND 1 (split plane): 2657.84,1839.61 2665.61,1838.46 2673.22,1836.55 2680.61,1833.91 2687.71,1830.55 2694.44,1826.51 2700.75,1821.84 2706.57,1816.57 2711.84,1810.75 2716.51,1804.44 2720.55,1797.71 2723.91,1790.61 2726.55,1783.22 2728.46,1775.61 2729.61,1767.84 2729.97,1760.63 2729.9,1760 2729.9,-40 2729.97,-40.63 2729.61,-47.84 2728.46,-55.61 2726.55,-63.22 2723.91,-70.61 2720.55,-77.71 2716.51,-84.44 2711.84,-90.75 2706.57,-96.57 2700.75,-101.84 2694.44,-106.51 2687.71,-110.55 2680.61,-113.91 2673.22,-116.55 2665.61,-118.46 2657.84,-119.61 2650.63,-119.97 2650,-119.9 -50,-119.9 -50.63,-119.97 -57.84,-119.61 -65.61,-118.46 -73.22,-116.55 -80.61,-113.91 -87.71,-110.55 -94.44,-106.51 -100.75,-101.84 -106.57,-96.57 -111.84,-90.75 -116.51,-84.44 -120.55,-77.71 -123.91,-70.61 -126.55,-63.22 -128.46,-55.61 -129.61,-47.84 -129.97,-40.63 -129.9,-40 -129.9,1760 -129.97,1760.63 -129.61,1767.84 -128.46,1775.61 -126.55,1783.22 -123.91,1790.61 -120.55,1797.71 -116.51,1804.44 -111.84,1810.75 -106.57,1816.57 -100.75,1821.84 -94.44,1826.51 -87.71,1830.55 -80.61,1833.91 -73.22,1836.55 -65.61,1838.46 -57.84,1839.61 -50.63,1839.97 -50,1839.9 2650,1839.9 2650.63,1839.97

## Keep-outs
Keep-Out Layer:
  the board outline again, w10

## Silkscreen, mask and mechanical layers (free items; w line width, h text height)
Top Overlay:
  lines w10: 2700,290.83 2700,340.83 ; 2690,290.83 2700,280.83 2710,290.83 2690,290.83 ; 2690,340.83 2700,350.83 2710,340.83 2690,340.83
  text "RESET" at 266,1786 h40
  text "BOOTSEL" at 526.71,1786 h40
  text "5V" at 2006.68,920.01 h40
  text "3V3" at 1986.68,540.01 h40
  text "USB" at 2715.99,386.68 h40 r90
  text "RAIL" at 2715.99,120.02 h40 r90
Bottom Overlay:
  drawing of 11 lines, arcs and shapes, not listed
  text "YOVANY MOLINA / BLAKE SANDERS / SPRING 2024 / TGIS USB2CAN V2" at 1382.46,1577.43 h30
  text "3V3" at -105.99,1446.68 h40 r270
  text "GND" at 154.01,1446.68 h40 r270
  text "1" at -105.99,1393.34 h40 r270
  text "0" at 154.01,1386.67 h40 r270
  text "3" at -105.99,1286.67 h40 r270
  text "2" at 154.01,1286.67 h40 r270
  text "5" at -105.99,1186.67 h40 r270
  text "4" at 154.01,1186.67 h40 r270
  text "ACT" at -105.99,966.68 h40 r270
  text "PWR DBG" at 2705.99,943.29 h40 r90
  text "COMMS" at -35.99,836.7 h40 r270
  text "STAT" at -105.99,766.69 h40 r270
  text "SWD" at -105.99,336.68 h40 r270
Mechanical 1:
  lines w10: -150,0 0,0 0,-150 ; -150,1710 0,1710 0,1860 ; 2600,-150 2600,0 2750,0 ; 2600,1860 2600,1710 2750,1710
Mechanical 15:
  lines w6: 1170,690 1181,545

## Text inside footprints (layer, text, board x,y; h text height)
J3: Mechanical 13 "PCB EDGE" at 2745.63,1022.76 h16 r90